# Altium PCB main.PcbDoc (continued)
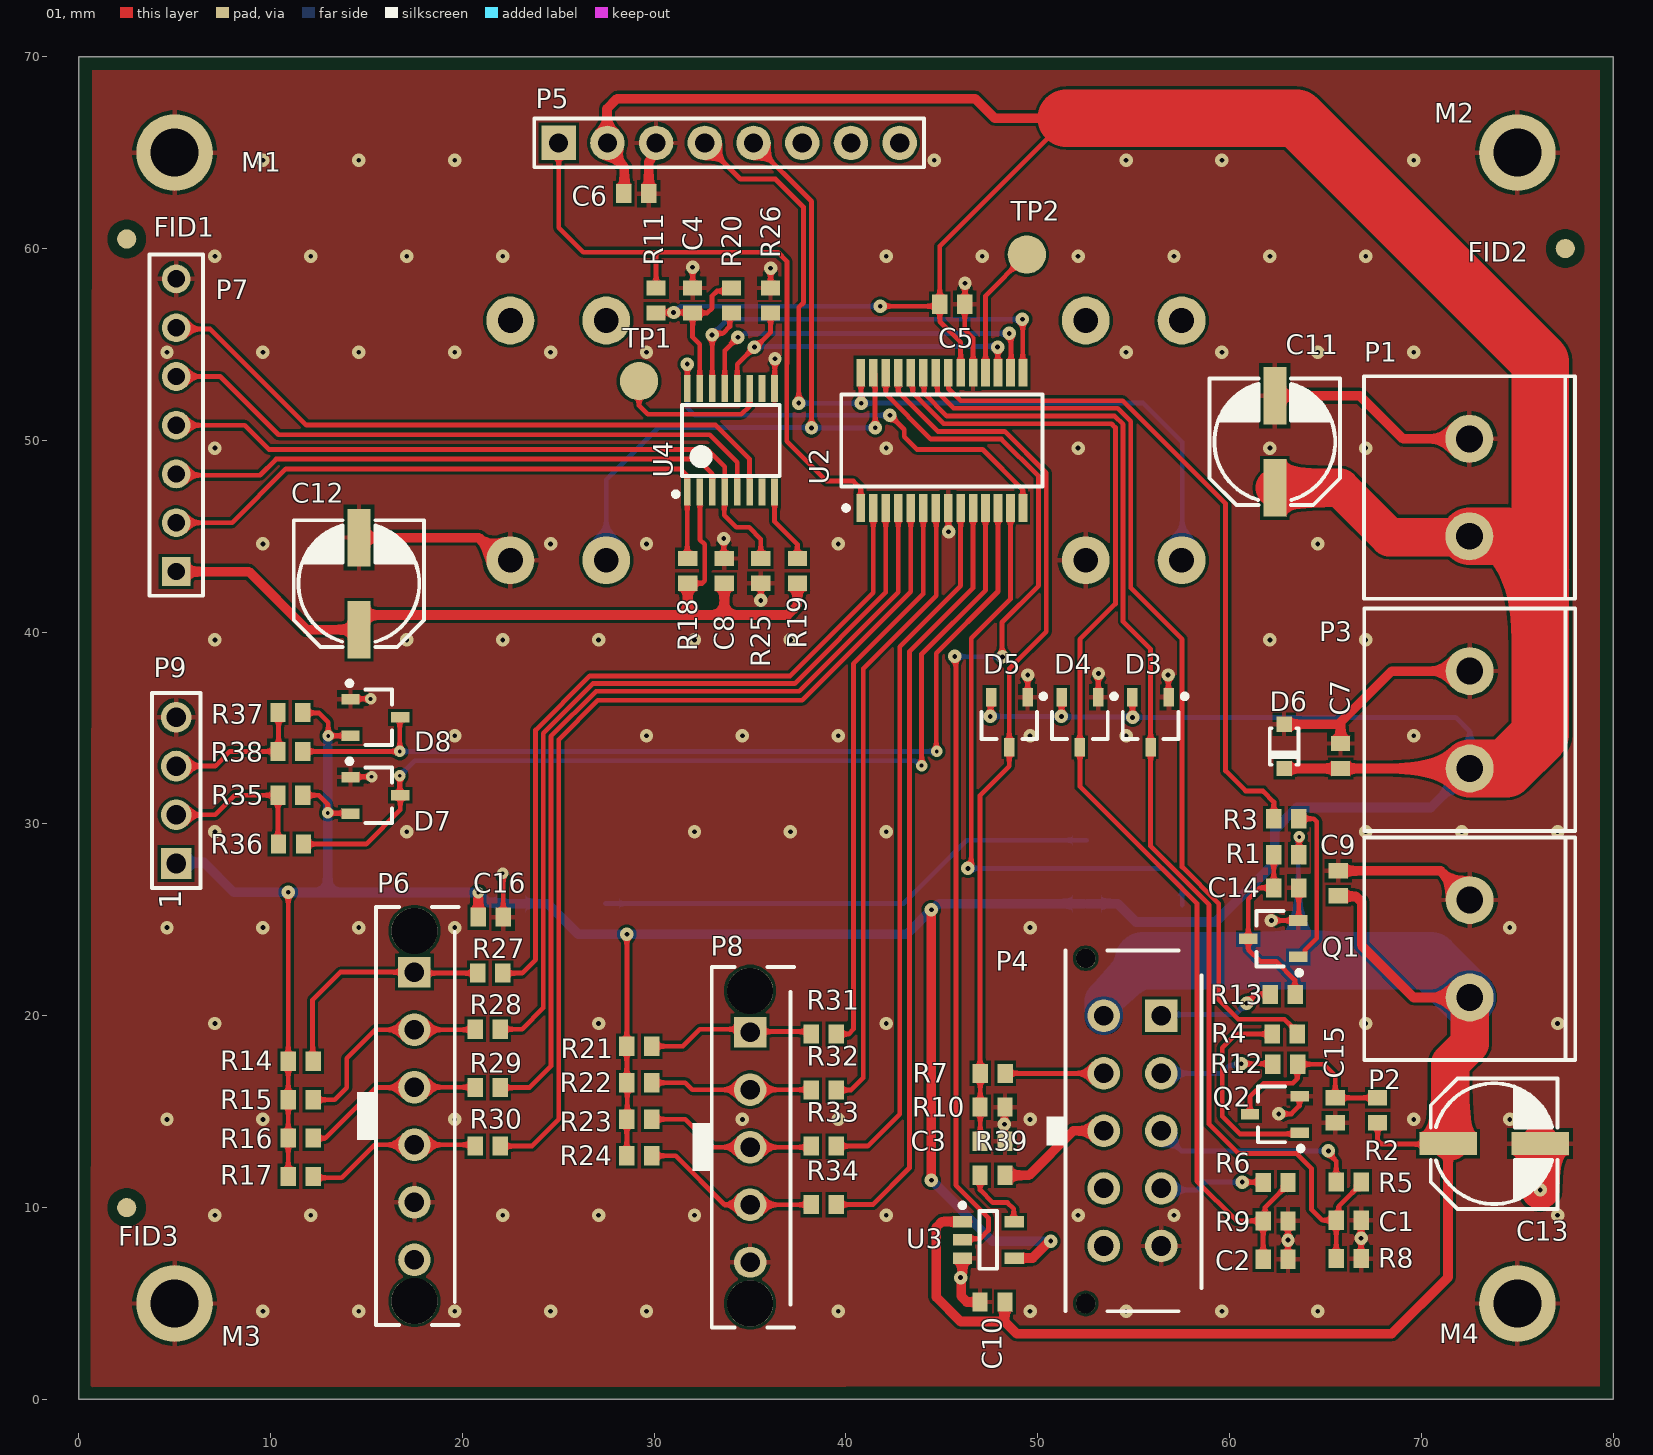
[diagram p0: 01 view]
## Footprints (in the part's own frame and the unit in brackets; to place one, negate y for a bottom-side part, rotate by r counter-clockwise, add the part's x,y. Pads: shape width x height; smd on the part's side, far side on the other; paste and mask are expansions set on the pad)
C0603 [mm] "Chip Capacitor; Body 1.6 x 0.8 mm (LxW typ)"
  rect 1x0.8 smd: 1(0,0.65) 2(0,-0.65)
  body extent -0.4,-0.8 0.4,0.8, height 0.8
"ELCO D-PACK" [mm] "SMD ELCO 6.3 x 5.8"
  rect 1.2x3 smd: 1(0,2.4) 2(0,-2.4)
  silkscreen extent -3.4,-3.3 3.4,3.3, body extent -3.3,-3.5 3.3,3.5, height 5.4
FIDUCIAL1MM [mm] "Fiducial Mark 1mm Diameter"
  round 1 smd paste-1 mask+0.3: ""(0,0)
HDR1X7-P254 [mm] "HEADER 1X7, Pitch 2,54mm"
  rect 1.5x1.5 hole 0.9: 1(-7.62,0)
  round 1.5 hole 0.9: 2(-5.08,0) 3(-2.54,0) 4(0,0) 5(2.54,0) 6(5.08,0) 7(7.63,0)
  silkscreen extent -8.89,-1.4 8.9,1.4, body extent -8.89,-1.27 8.89,1.27, height 8.38
"MOLEX 43045-1012" [mm]
  rect 1.7x1.7 hole 1.02: 1(6,-1.5)
  round 1.7 hole 1.02: 2(3,-1.5) 3(0,-1.5) 4(-3,-1.5) 5(-6,-1.5) 6(6,1.5) 7(3,1.5) 8(0,1.5) 9(-3,1.5) 10(-6,1.5)
  round 1.02 hole 1.02 unplated: ""(-9,2.44) ""(9,2.44)
  silkscreen extent -9.4,-3.6 9.4,4.5, body extent -9.57,-3.94 9.57,4.83, height 9.9
"MOLEX 43650-0518" [mm]
  rect 1.6x1.7 hole 1.02: 1(6,0)
  round 1.7 hole 1.02: 2(3,0) 3(0,0) 4(-3,0)
  oval 1.6x1.7 hole 1.02: 5(-6,0)
  round 2.4 hole 2.4 unplated: ""(-8.15,0) ""(8.15,0)
  silkscreen extent -9.4,-2.3 9.4,3, body extent -9.32,-2.46 9.32,3.11, height 9.9
"MOLEX 43650-0618" [mm]
  rect 1.6x1.7 hole 1.02: 1(7.5,0)
  round 1.7 hole 1.02: 2(4.5,0) 3(1.5,0) 4(-1.5,0) 5(-4.5,0) 6(-7.5,0)
  round 2.4 hole 2.4 unplated: ""(-9.65,0) ""(9.65,0)
  silkscreen extent -10.9,-2.3 10.9,3, body extent -10.82,-2.46 10.82,3.11, height 9.9
PTH-M2.5-D4.0 [mm] "Plated Through-Hole, M2.5, Pad 4mm"
  round 4 hole 2.5: 1(0,0)
R0603 [mm] "Chip Resistor; Body 1.6 x 0.8 mm (LxW typ)"
  rect 1x0.8 smd: 1(0,0.65) 2(0,-0.65)
  body extent -0.42,-0.78 0.43,0.77, height 0.45
SOD-323 [mm] "SOD-323/SC-76; 2 Leads; Body 1.7 x 1.3 mm, (LxW)"
  rect 0.8x0.8 smd: 1(0,-1.15) 2(0,1.15)
  silkscreen extent -0.75,-0.95 0.75,0.95, body extent -0.68,-1.3 0.67,1.3, height 1.1
SOT23-3 [mm] "SOT23, 3-Leads, Body 2,90x2,80mm, Pitch 0,95mm, IPC Medium Density"
  rect 0.95x0.55 smd: 1(-1.3,0.95) 2(-1.3,-0.95) 3(1.3,0)
  silkscreen extent -1.47,-1.45 0.87,1.9, body extent -1.4,-1.45 1.4,1.45, height 1.1
SOT23-5 [mm] "SOT23, 5-Leads, Body 2,90x2,80mm, Pitch 0,95mm, IPC Medium Density"
  rect 1x0.6 smd: 1(-1.35,0.95) 2(-1.35,0) 3(-1.35,-0.95) 4(1.35,-0.95) 5(1.35,0.95)
  silkscreen extent -1.47,-1.5 0.45,1.92, body extent -1.5,-1.5 1.5,1.5, height 1.45
TERMBLOCK508P-SCREW-2 [mm] "Terminal Block, Screw Connections, 2 Way, 5.08mm Pitch"
  round 2.5 hole 1.4: 1(-2.54,0) 2(2.54,0)
  silkscreen extent -5.8,-5.5 5.8,5.5, body extent -5.67,-5.9 5.67,5.72, height 18
TESTPAD_R2 [mm] "Testpad, Round, 2mm"
  round 2 smd paste-1: 1(0,0)
  body extent -0.99,-1 1,1, height 0.01
TSOP065P05.00X06.40X01.20-16 [mm] "TSOP, 16-Leads, Body 5,00x4,40mm, Pitch 0,65mm, IPC High Density"
  rect 1.4x0.35 smd: 1(-2.7,2.275) 2(-2.7,1.625) 3(-2.7,0.975) 4(-2.7,0.325) 5(-2.7,-0.325) 6(-2.7,-0.975) 7(-2.7,-1.625) 8(-2.7,-2.275) 9(2.7,-2.275) 10(2.7,-1.625) 11(2.7,-0.975) 12(2.7,-0.325) 13(2.7,0.325) 14(2.7,0.975) 15(2.7,1.625) 16(2.7,2.275)
  silkscreen extent -2.92,-2.55 1.85,3, body extent -3.2,-2.5 3.2,2.5, height 1.2
TSOP065P07.80X10.20X02.00-28 [mm] "SOP, 28-Leads, Body 10,20x5,30mm, Pitch 0,65mm, IPC High Density"
  rect 1.45x0.45 smd: 1(-3.525,4.225) 2(-3.525,3.575) 3(-3.525,2.925) 4(-3.525,2.275) 5(-3.525,1.625) 6(-3.525,0.975) 7(-3.525,0.325) 8(-3.525,-0.325) 9(-3.525,-0.975) 10(-3.525,-1.625) 11(-3.525,-2.275) 12(-3.525,-2.925) 13(-3.525,-3.575) 14(-3.525,-4.225) 15(3.525,-4.225) 16(3.525,-3.575) 17(3.525,-2.925) 18(3.525,-2.275) 19(3.525,-1.625) 20(3.525,-0.975) 21(3.525,-0.325) 22(3.525,0.325) 23(3.525,0.975) 24(3.525,1.625) 25(3.525,2.275) 26(3.525,2.925) 27(3.525,3.575) 28(3.525,4.225)
  silkscreen extent -3.65,-5.25 2.4,5.25, body extent -3.9,-5.25 3.9,5.25, height 2
TSW-104-06-G-S [mm] "Samtec TSW Header"
  rect 1.6x1.6 hole 1.02: 1(-3.81,0)
  round 1.6 hole 1.02: 2(-1.27,0) 3(1.27,0) 4(3.81,0)
  silkscreen extent -5.08,-1.27 5.08,1.27, body extent -5.21,-1.27 5.08,1.27, height 5.21
TSW-108-07-F-S [mm] "Samtec TSW-108-07-F-S"
  rect 1.8x1.8 hole 1: 1(-8.89,0)
  round 1.8 hole 1: 2(-6.35,0) 3(-3.81,0) 4(-1.27,0) 5(1.27,0) 6(3.81,0) 7(6.35,0) 8(8.89,0)
  silkscreen extent -10.16,-1.27 10.16,1.27, body extent -10.29,-1.27 10.16,1.27, height 8.38
WE-TATV [mm] "WE TATV Tactile Switch"
  round 2.5 hole 1.3: 1(-6.25,2.5) 2(6.25,2.5) 3(-6.25,-2.5) 4(6.25,-2.5)
  silkscreen extent -6,-6 6,6, body extent -6.99,-6 6.99,6, height 7.3
WS2812B-B [mm]
  rect 1.5x0.9 smd: 1(-2.45,1.65) 2(-2.45,-1.65) 3(2.45,-1.65) 4(2.45,1.65)
  silkscreen extent -2.5,-2.75 3.25,2.5, body extent -2.7,-2.5 2.7,2.5, height 1.62

## Part data
C1 C2 C3 C4 C5 C6 C7 C8 C9 C10 C14 C15 C16: library part 45000079, "CAP, CER, 0603, 100nF, 50V, X7R,±10%", Manufacturer 1=KEMET, Manufacturer 1 P/N=C0603X104K5RACTU, Manufacturer 2="Wurth Elektronik", Manufacturer 2 P/N=885012206095, Manufacturer 3=Yageo, Manufacturer 3 P/N=CC0603KRX7R9BB104, Manufacturer P/N Count=16, Component Type="Capacitor, Ceramic", id=45000079, Umbrella P/N=C0603/100nF/50V/X7R, Unit Type=pcs
C11 C12 C13: library part 45000014, "CAP, ELC, 6.3x5.8, 100uF, 35V, 20%", Manufacturer 1=Panasonic, Manufacturer 1 P/N=EEE-FT1V101AP, Manufacturer 2 P/N=EEEFT1V101AP, Manufacturer P/N Count=2, Component Type="Capacitor, Electrolytic", id=45000014, Manufacturer 2=Panasonic, Unit Type=pcs
D1 D2: library part 45006194, "LED,Adressable,RGB", Manufacturer 1=Worldsemi, Manufacturer P/N Count=1, Component Type="Diode, LED", id=45006194, Manufacturer 1 P/N=WS2812B-B, Unit Quantity=1, Unit Type=pcs
D3 D4 D5 D7 D8: library part 45000071, "Schottky Barrier Diode, Dual, Series", Manufacturer 1="NXP Semiconductors", Manufacturer 1 P/N=BAT54S, Manufacturer P/N Count=1, Component Type="Diode, Schottky", id=45000071, Unit Type=pcs
D6: library part 45002477, "TVS Diode, Unidirectional, 5V, 300mW", Manufacturer 1="ON Semiconductor", Manufacturer 1 P/N=SD05T1G, Manufacturer P/N Count=1, Component Type="Diode, TVS", id=45002477
FID1 FID2 FID3: library part 45000048, "Fiducial Mark,Round,1mm", Manufacturer 1=mechanical, Manufacturer P/N Count=1, Component Type="Mechanical, Fiducials / Net-Ties / Markers", id=45000048, Manufacturer 1 P/N=mechanical, Unit Type=pcs
M1 M2 M3 M4: library part 45000530, "Plated Through-Hole, M2.5", Manufacturer 1=mechanical, Manufacturer P/N Count=1, Component Type="Mechanical, Single SMD & THT Pads / Testpoints", id=45000530, Manufacturer 1 P/N=mechanical, Unit Type=pcs
P1 P2 P3: library part 45001155, "Terminal Block, 5.08mm Pitch, Screw Contacts", Manufacturer 1="PHOENIX CONTACT", Manufacturer 1 P/N=1715721, Manufacturer 2=Multicomp, Manufacturer 2 P/N=MC24366, Manufacturer P/N Count=2, Component Type="Connector, Terminal Block", id=45001155, Unit Type=pcs
P4: library part 45007936, "Socket, Vertical, 2x5p,3mm", Manufacturer 1=MOLEX, Manufacturer 1 P/N=43045-1012, Manufacturer 2=Molex, Manufacturer 2 P/N=0430451012, Manufacturer P/N Count=2, Component Type="Connector, Header", id=45007936, Unit Quantity=1, Unit Type=pcs
P5: library part 45000411, "Samtec TSW Header,2.54mm Pitch,Single Row,Vertical", Manufacturer 1=Samtec, Manufacturer 1 P/N=TSW-108-07-F-S, Manufacturer P/N Count=1, Component Type="Connector, Header", id=45000411
P6: library part 45007935, "Socket, Vertical, 6p, 3mm", Manufacturer 1=Molex, Manufacturer 1 P/N=43650-0618, Manufacturer 2 P/N=0436500618, Manufacturer P/N Count=2, Component Type="Connector, Header", id=45007935, Manufacturer 2=Molex, Unit Quantity=1, Unit Type=pcs
P7: library part 45000355, "Samtec TSW Header,2.54mm Pitch,Single Row,Vertical", Manufacturer 1=Samtec, Manufacturer 1 P/N=TSW-107-07-F-S, Manufacturer P/N Count=1, Component Type="Connector, Header", id=45000355, Unit Type=pcs
P8: library part 45007934, "Socket, Vertical, 5p, 3mm", Manufacturer 1=Molex, Manufacturer 1 P/N=43650-0518, Manufacturer 2 P/N=0436500518, Manufacturer P/N Count=2, Component Type="Connector, Header", id=45007934, Manufacturer 2=Molex, Unit Quantity=1, Unit Type=pcs
P9: library part 45003711, "Samtec TSW Header,Single Row,Vertical,5.21mm Height,Gold Flash", Manufacturer 1=Samtec, Manufacturer 1 P/N=TSW-104-06-G-S, Manufacturer P/N Count=1, Component Type="Connector, Header", id=45003711
Q1 Q2: library part 45003086, "MOSFET, N Channel, 310 mA, 60 V, 0.86 ohm", Manufacturer 1="ON Semiconductor", Manufacturer 1 P/N=2N7002ET1G, Manufacturer P/N Count=1, Component Type="MOSFET, N-Channel", id=45003086, Unit Type=pcs
R1 R2 R11 R14 R15 R16 R17 R18 R19 R20 R21 R22 R23 R24 R25 R26: library part 45000492, "RES, 0603, 47K, 1%,100mW", Manufacturer 1="MULTICOMP PRO", Manufacturer 1 P/N=MCWR06X4702FTL, Manufacturer 2=VISHAY, Manufacturer 2 P/N=CRCW060347K0FKEA., Manufacturer 3 P/N=MC0603SAF4702T5E, Manufacturer P/N Count=4, Component Type="Resistor, Thick Film", id=45000492, Manufacturer 3="MULTICOMP PRO", Umbrella P/N=R0603/47K/0.1W/1%, Unit Type=pcs
R3 R4 R5 R6 R7 R27 R28 R29 R30 R31 R32 R33 R34: library part 45000125, "RES, 0603, 10K,63mW,1%", Manufacturer 1="RS PRO", Manufacturer 1 P/N=804-8921, Manufacturer 2=WALSIN, Manufacturer 2 P/N=WR06X1002FTL, Manufacturer 3=BOURNS, Manufacturer 3 P/N=CR0603-FX-1002ELF, Manufacturer P/N Count=4, Component Type="Resistor, Thick Film", id=45000125, Umbrella P/N=R0603/10K/63mW/1%, Unit Type=pcs
R8 R9 R10: library part 45000333, "RES, 0603, 3K9, 0.063W, 1%", Manufacturer P/N Count=0, Component Type="Resistor, Thick Film", id=45000333, Umbrella P/N=R0603/3K9/0.063W/1%
R12 R13 R36 R38 R39: library part 45000124, "RES, 0603, 100R, 0.063W, 1%", Manufacturer 1=WALSIN, Manufacturer 1 P/N=WR06X1000FTL, Manufacturer 2="MULTICOMP PRO", Manufacturer 2 P/N=MCWR06X1000FTL, Manufacturer 3=PANASONIC, Manufacturer 3 P/N=ERJ3EKF1000V, Manufacturer P/N Count=9, Component Type="Resistor, Thick Film", id=45000124, Umbrella P/N=R0603/100R/0.063W/1%, Unit Type=pcs
R35 R37: library part 45000145, "RES, 0603, 4K7, 0.063W, 1%", Manufacturer 1=VISHAY, Manufacturer 1 P/N=CRCW06034K70FKEA., Manufacturer 2=PANASONIC, Manufacturer 2 P/N=ERJ3EKF4701V, Manufacturer 3="MULTICOMP PRO", Manufacturer 3 P/N=MCMR06X4701FTL, Manufacturer P/N Count=6, Component Type="Resistor, Thick Film", id=45000145, Umbrella P/N=R0603/4K7/0.063W/1%, Unit Type=pcs
S1 S2: library part 45001114, "WE TATV Series Tactile Switch, TH, 12x12mm, Square Actuator, Black", Manufacturer 1="WURTH ELEKTRONIK", Manufacturer 1 P/N=430476073716, Manufacturer 2="Würth Elektronik", Manufacturer 2 P/N="430 476 073 716", Manufacturer P/N Count=2, Component Type="Switches & Buttons, Button", id=45001114, Unit Type=pcs
TP1 TP2: library part 45001579, "Test Point for PCB, Round,2mm", Manufacturer 1=mechanical, Manufacturer P/N Count=1, Component Type="Mechanical, Single SMD & THT Pads / Testpoints", id=45001579, Manufacturer 1 P/N=mechanical, Unit Type=pcs
U2: library part 45007932, "MCU, 8BIT, 28KB FLASH, 28SSOP", Manufacturer 1=Microchip, Manufacturer 1 P/N=PIC16F18056-I/SS, Manufacturer P/N Count=1, Component Type="IC, Microcontrollers", id=45007932, Unit Quantity=1, Unit Type=pcs
U3: library part 45007933, "Low-Side,Gate Driver,Non-Inverting,SOT-23-5", Manufacturer 1=onsemi, Manufacturer 1 P/N=FAN3111ESX, Manufacturer P/N Count=1, Component Type="IC, Controllers / Drivers / Transceivers", id=45007933, Unit Quantity=1, Unit Type=pcs
U4: library part 45002309, "6-Bit Bidirectional Level-Shifting and Voltage Translator With Auto-Direction Sensing", Manufacturer 1="Texas Instruments", Manufacturer 1 P/N=TXB0106PWR, Manufacturer P/N Count=1, Component Type="IC, Controllers / Drivers / Transceivers", id=45002309, Unit Quantity=1

## Via types
v1: diameter 0.7, hole 0.25, 01 to 02, tented both sides, 145 vias
v2: diameter 0.6, hole 0.2, 01 to 02, tented both sides, 11 vias

## Nets (pads, with @x,y where several pads share a name; then routed paths per layer and width w, separated by ;. In a path a pad name is that pad's centre, name@x,y a point inside that pad or via, vN(x,y) a via of type N, cw(c..) or ccw(c..) an arc to the next point about the centre after c; other vN are vias at no path point)
GND: C1.2 C2.2 C3.2 C4.2 C5.2 C6.2 C7.2 C8.2 C9.2 C10.2 C11.2 C12.2 C13.2 C14.2 C15.2 C16.2 D1.3 D2.3 D3.1 D4.1 D5.1 D6.1 D7.1 D8.1 M1.1 M2.1 M3.1 M4.1 P1.2 P2.2 P3.2 P4.5 P5.3 P6.5 P7.7 P8.5 P9.4 Q1.2 Q2.2 R8.2 R9.2 R10.2 R25.2 R26.2 S1.2 S2.2 U2.8 U2.19 U3.3 U4.9 | length 77.4
  01 w0.25: D7.1 14.179,32.461 v2(15.265,32.461) ; D8.1 14.179,36.525 v2(15.215,36.525) ; v2(22.098,27.432) 22.128,27.402 C16.2 ; C4.2 v1(32.004,59.03) ; v1(33.63,44.882) 33.63,43.87 C8.2 ; v1(35.56,41.656) R25.2 ; R26.2 v1(36.068,58.979) ; U4.9 36.286,52.711 36.286,54.244 v1(36.297,54.254) ; U2.8 45.337,46.463 45.337,45.25 v1(45.35,45.237) ; v1(46.203,58.191) 46.203,57.11 C5.2 46.192,55.763 46.625,55.331 U2.19 ; C3.2@48.29,13.492 48.26,13.522 v1(48.26,14.351) 48.26,15.21 R10.2 ; D5.1 49.472,36.614 49.472,37.762 v1(49.479,37.77) ; D4.1 53.155,36.614 53.155,37.838 v1(53.162,37.846) ; v1(56.794,37.77) 56.812,37.752 56.812,36.624 D3.1 ; v1(62.179,24.968) Q1.2 ; v1(62.56,14.884) 63.221,14.884 63.642,15.305 63.642,15.794 Q2.2 ; C2.2@63.046,7.42 63.043,7.423 v1(63.043,8.306) 63.043,9.307 R9.2 ; Q1.2@63.602,24.917 C14.2 ; R8.2 66.853,7.344 v1(66.853,8.407) 66.853,9.338 C1.2
  01 w0.5: C12.2 20.854,44.932 22.098,43.688 S2.2@22.479,43.688 ; C6.2 29.718,64.516 29.831,64.629 29.831,65.264 P5.3@29.972,65.405 ; v1@45.949,6.35 v1(45.974,6.35) 46.012,6.286 46.012,5.373 46.305,5.08 C10.2 ; v1@46.068,6.515 U3.3 ; C11.2@62.357,52.197 62.484,52.324 66.802,52.324 69.046,50.08 P1.2 ; D6.1 65.786,35.193 ; C9.2 70.993,27.559 72.39,26.162 P2.2@72.39,25.908 ; C7.2 65.786,35.306 68.453,37.973 72.39,37.973 P3.2@72.517,37.846
  01 w2: v1@76.187,10.922 C13.2
  other v1: 9.6,4.6 14.6,4.6 19.6,4.6 24.6,4.6 29.6,4.6 39.6,4.6 49.6,4.6 54.6,4.6 59.6,4.6 64.6,4.6 7.1,9.6 12.1,9.6 22.1,9.6 27.1,9.6 32.1,9.6 42.1,9.6 52.1,9.6 57.1,9.6 77.1,9.6 76.2,10.922 76.2,11.811 4.6,14.6 9.6,14.6 19.6,14.6 34.6,14.6 39.6,14.6 49.6,14.6 69.6,14.6 74.6,14.6 7.1,19.6 27.1,19.6 42.1,19.6 67.1,19.6 77.1,19.6 4.6,24.6 9.6,24.6 14.6,24.6 19.6,24.6 49.6,24.6 74.6,24.6 7.1,29.6 17.1,29.6 32.1,29.6 37.1,29.6 42.1,29.6 67.1,29.6 72.1,29.6 77.1,29.6 19.6,34.6 29.6,34.6 34.6,34.6 39.6,34.6 49.6,34.6 54.6,34.6 69.6,34.6 7.1,39.6 17.1,39.6 22.1,39.6 27.1,39.6 32.1,39.6 37.1,39.6 62.1,39.6 67.1,39.6 9.6,44.6 24.6,44.6 29.6,44.6 39.6,44.6 64.6,44.6 7.1,49.6 42.1,49.6 52.1,49.6 62.1,49.6 67.1,49.6 4.6,54.6 9.6,54.6 14.6,54.6 19.6,54.6 24.6,54.6 29.6,54.6 54.6,54.6 59.6,54.6 64.6,54.6 69.6,54.6 7.1,59.6 12.1,59.6 17.1,59.6 22.1,59.6 42.1,59.6 47.1,59.6 52.1,59.6 57.1,59.6 62.1,59.6 67.1,59.6 9.6,64.6 14.6,64.6 19.6,64.6 44.6,64.6 54.6,64.6 59.6,64.6 69.6,64.6
int_in: R26.1 U2.17 U4.12 | length 18.4
  01 w0.25: U4.12 34.325,53.964 35.179,54.818 35.179,54.864 35.306,54.864 36.068,55.626 R26.1 ; v1(47.904,54.864) 47.915,54.854 U2.17@47.915,53.922
  02 w0.25: v1(35.225,54.864) 35.264,54.902 47.866,54.902 v1(47.904,54.864)
int_out: U2.16 U4.13 | length 19.2
  01 w0.25: U4.13 33.675,54.681 v1(34.366,55.372) ; v1(48.514,55.575) 48.6,55.489 48.6,54.946 48.608,54.938 U2.16@48.608,53.627
  02 w0.25: v1(34.366,55.372) 34.488,55.372 34.691,55.575 v1(48.514,55.575)
mains: P4.4 R6.2 | length 5.5
  01 w0.25: v1(60.655,11.328) 61.728,11.328 R6.2
  02 w0.25: P4.4@56.515,11.049 56.642,10.922 58.293,10.922 58.699,11.328 v1(60.655,11.328)
MCLR: P5.1 R11.2 U2.1 | length 34.2
  01 w0.25: P5.1 25.019,61.087 26.299,59.807 30.099,59.807 30.216,59.807 ; R11.2 30.099,59.69 30.216,59.807 ; U2.1@40.767,46.482 40.767,47.498 40.386,47.879 38.989,47.879 36.916,49.952 36.916,53.99 36.922,53.996 36.922,59.339 36.454,59.807 30.216,59.807
NetC1_1: C1.1 D3.3 R5.1 R8.1 U2.23 | length 65
  01 w0.25: U2.23@44.069,53.594 44.069,52.451 45.25,51.27 54.007,51.27 54.445,50.832 54.445,40.551 55.88,39.116 D3.3 55.88,28.841 58.928,25.793 58.928,14.351 60.452,12.827 63.481,12.827 64.262,12.046 64.262,9.906 64.827,9.341 C1.1 R8.1 ; C1.1@65.629,9.368 65.685,9.424 65.685,10.07 66.856,11.241 R5.1
NetC2_1: C2.1 D4.3 R6.1 R9.1 U2.24 | length 63.8
  01 w0.25: U2.24 43.475,53.425 43.475,52.479 45.084,50.87 53.841,50.87 54.045,50.666 54.045,41.472 52.197,39.624 D4.3 52.197,31.958 52.27,31.885 58.293,25.862 58.293,11.381 60.364,9.31 R9.1 C2.1 ; R9.1@61.849,9.31 61.849,10.013 63.046,11.21 R6.1
NetC3_1: C3.1 D5.3 R7.1 R10.1 U2.25 | length 46.7
  01 w0.25: U2.25 42.725,52.525 44.78,50.47 48.267,50.47 50.438,48.299 50.438,40.024 48.514,38.1 D5.3@48.514,34.036 ; C3.1 47,13.472 47,15.24 R7.1 46.99,17.01 46.99,31.496 48.514,33.02 D5.3
NetC14_1: C14.1 Q1.3 R1.2 R13.2 | length 9.7
  01 w0.25: R1.2@62.302,28.367 C14.1 61.57,26.67 60.976,26.077 Q1.3 60.976,23.453 61.595,22.835 62.433,22.835 63.406,21.861 63.406,21.125 R13.2
NetC15_1: C15.1 Q2.3 R2.2 R12.2 | length 10
  01 w0.25: Q2.3 61.057,15.769 61.773,16.485 63.297,16.485 63.525,16.713 R12.2@63.525,17.424 ; R12.2 64.897,17.475 65.507,16.866 C15.1 R2.2@67.691,15.723
NetD1_2: D1.2 D2.4 | length 26.5
  02 w0.25: D2.4 42.995,25.85 46.295,29.15 D1.2
NetP6_1: P6.1 R14.2 R27.2 | length 12.3
  01 w0.25: R14.2@12.192,17.78 12.192,20.828 13.641,22.277 P6.1 ; P6.1@17.5,22.225 R27.2
NetP6_2: P6.2 R15.2 R28.2 | length 10.9
  01 w0.25: R15.2@12.192,15.621 13.335,15.621 13.97,16.256 13.97,17.78 15.467,19.277 P6.2 20.644,19.277 R28.2
NetP6_3: P6.3 R16.2 R29.2 | length 9.5
  01 w0.25: R16.2 12.236,13.612 12.85,13.612 15.494,16.256 17.479,16.256 P6.3 ; P6.3@17.547,16.277 20.65,16.277 R29.2
NetP6_4: P6.4 R17.2 R30.2 | length 9.3
  01 w0.25: R17.2@12.192,11.684 12.319,11.557 13.716,11.557 15.436,13.277 P6.4 20.602,13.277 R30.2
NetP7_2: P7.2 R18.2 U4.1 | length 32.2
  01 w0.25: P7.2@5.08,45.669 5.121,45.71 7.991,45.71 10.795,48.514 31.369,48.514 31.701,48.182 U4.1@31.701,47.349 ; R18.2 31.725,43.87 31.725,47.219 U4.1@31.75,47.244
NetP7_3: P7.3 U4.3 | length 29.6
  01 w0.25: P7.3@5.08,48.184 9.449,48.184 10.287,49.022 32.258,49.022 33.02,48.26 U4.3@33.02,47.244
NetP7_4: P7.4 R25.1 U4.4 | length 35.3
  01 w0.25: P7.4@5.131,50.775 5.146,50.79 8.646,50.79 9.906,49.53 32.766,49.53 33.675,48.621 U4.4 ; U4.4@33.655,47.244 33.655,46.101 34.29,45.466 34.95,45.466 35.56,44.856 R25.1
NetP7_5: P7.5 U4.5 | length 32.7
  01 w0.25: P7.5@5.055,53.289 5.095,53.33 7.376,53.33 10.414,50.292 32.893,50.292 34.325,48.86 U4.5
NetP7_6: P7.6 U4.6 | length 34.4
  01 w0.25: P7.6@5.08,55.855 5.131,55.804 6.858,55.804 11.862,50.8 33.2,50.8 34.975,49.025 U4.6
NetP8_1: P8.1 R21.2 R31.2 | length 8.6
  01 w0.25: R21.2 31.496,18.415 32.385,19.304 P8.1@34.925,19.304 ; P8.1@35.052,19.177 38.07,19.177 R31.2
NetP8_2: P8.2 R22.2 R32.2 | length 8.6
  01 w0.25: R22.2@29.845,16.51 R22.2 31.623,16.51 31.983,16.15 P8.2 38.079,16.15 R32.2@38.227,16.002
NetP8_3: P8.3 R23.2 R33.2 | length 8.9
  01 w0.25: R23.2@29.972,14.605 31.623,14.605 33.078,13.15 P8.3 38.139,13.15 R33.2
NetP8_4: P8.4 R24.2 R34.2 | length 9.3
  01 w0.25: R24.2 31.115,12.7 33.665,10.15 P8.4@34.935,10.15 ; P8.4 38.217,10.15 R34.2@38.227,10.16
NetP9_2: P9.2 R35.2 R36.2 | length 8.3
  01 w0.25: P9.2 7.112,30.48 8.128,31.496 R35.2 10.384,28.986 R36.2
NetP9_3: P9.3 R37.2 R38.2 | length 7.7
  01 w0.25: P9.3 7.112,33.02 7.874,33.782 R38.2 10.414,33.812 R37.2@10.414,35.814
NetQ1_1: Q1.1 R3.2 | length 8.5
  01 w0.25: Q1.1@63.55,23.094 Q1.1 63.776,23.068 63.926,23.218 63.926,23.418 64.541,24.033 64.541,30.124 64.389,30.277 R3.2@63.703,30.277
NetQ2_1: Q2.1 R4.2 | length 10.9
  01 w0.25: R4.2 60.325,19.05 59.614,18.339 59.614,14.757 60.528,13.843 Q2.1@63.627,13.843
NetR3_1: R3.1 U2.21 | length 35.7
  01 w0.25: U2.21 45.339,53.511 45.339,52.705 45.974,52.07 54.425,52.07 59.792,46.704 59.792,32.766 60.833,31.725 61.747,31.725 ; 61.747,31.699 62.306,31.14 R3.1
NetR4_1: R4.1 U2.22 | length 48.7
  01 w0.25: U2.22 44.775,53.425 44.775,52.507 45.612,51.67 54.172,51.67 54.845,50.997 54.845,42.306 57.521,39.63 57.521,27.765 59.436,25.85 59.436,20.828 60.439,19.825 62.855,19.825 63.53,19.15 R4.1
NetR19_2: R19.2 U4.8 | length 3.8
  01 w0.25: U4.8@36.275,47.197 36.275,45.767 37.465,44.577 R19.2
NetR39_2: R39.2 U3.5 | length 3.6
  01 w0.25: R39.2 46.99,10.922 47.65,10.262 48.412,10.262 48.743,9.931 U3.5@48.743,9.271
NetTP1_1: TP1.1 U4.11 | length 8.3
  01 w0.25: TP1.1 29.21,51.816 29.668,51.358 34.543,51.358 34.975,51.79 U4.11
NetTP2_1: TP2.1 U2.18 | length 7.1
  01 w0.25: U2.18@47.375,53.425 U2.18 47.275,57.537 49.352,59.614 TP2.1@49.403,59.614
NetU2_26: U2.26 U3.2 | length 55.6
  01 w0.25: U2.26 42.075,52.425 44.43,50.07 48.101,50.07 50.038,48.133 50.038,42.418 48.133,40.513 48.133,38.735 v1(48.158,38.71) ; v1(45.669,38.735) 45.73,38.674 45.73,11.166 47.422,9.474 47.422,8.814 46.99,8.382 U3.2@46.216,8.382
  02 w0.25: v1(45.669,38.735) 45.682,38.722 48.146,38.722 v1(48.158,38.71)
ONEWIRE1: D7.3 R36.1 U2.11 | length 50
  01 w0.25: R36.1 14.986,28.956 16.764,30.734 D7.3 ; D7.3@16.739,31.521 v2(16.739,32.512) ; v2(43.942,33.045) 43.942,38.862 47.275,42.195 U2.11
  02 w0.25: v2(16.739,32.512) 17.526,33.299 43.621,33.299 43.875,33.045 v2(43.942,33.045)
ONEWIRE2: D8.3 R38.1 U2.12 | length 48.9
  01 w0.25: R38.1 v2(16.739,33.782) D8.3@16.739,35.56 ; v2(44.729,33.782) 44.704,33.807 44.704,38.9 47.925,42.121 U2.12
  02 w0.25: v2(16.739,33.782) v2(44.729,33.782)
P3V3: C8.1 C12.1 P7.1 R18.1 R19.1 U4.2 | length 43.8
  01 w0.25: R18.1 32.493,42.545 32.639,42.691 32.639,44.577 32.385,44.831 U4.2@32.385,47.117
  01 w0.5: P7.1@5.035,43.155 8.865,43.155 11.887,40.132 C12.1 ; C12.1@14.605,40.894 31.75,40.894 ; R18.1 31.75,40.894 ; C8.1 33.655,40.894 ; R19.1 37.465,41.402 36.957,40.894 33.655,40.894 ; 31.75,40.894 33.655,40.894
P5V: C4.1 C5.1 C6.1 C7.1 C11.1 C16.1 D1.1 D2.1 D3.2 D4.2 D5.2 D6.2 D7.2 D8.2 P1.1 P3.1 P5.2 P9.1 R11.1 R14.1 R15.1 R16.1 R17.1 R20.1 R21.1 R22.1 R23.1 R24.1 R35.1 R37.1 U2.20 U3.4 U4.15 | length 317.6
  01 w0.25: R17.1 R16.1 R15.1 10.921,17.525 R14.1@10.922,17.526 ; R14.1@10.922,17.653 v1(10.922,26.441) ; R35.1 12.522,31.496 12.979,31.039 v2(12.979,30.582) 12.997,30.564 14.13,30.564 D7.2@14.148,30.582 ; R37.1@11.735,35.789 12.522,35.789 13.005,35.306 v2(13.005,34.595) 13.012,34.602 14.079,34.602 D8.2@14.122,34.646 ; R24.1 R23.1 28.6,14.63 28.6,16.485 R22.1 R21.1 ; v1(28.575,24.257) 28.575,18.548 R21.1@28.581,18.542 ; R11.1 30.124,56.667 v1(31.013,56.667) 31.979,56.667 C4.1 ; U4.15 32.375,55.001 32.004,55.372 C4.1 ; R20.1@34.036,57.912 33.909,57.785 33.274,57.785 33.02,57.531 33.02,56.896 32.766,56.642 C4.1 ; v1(41.783,56.998) v1@41.783,57.023 ; v1@41.808,57.048 41.859,56.998 44.791,56.998 C5.1 44.892,60.132 50.8,66.04 50.8,66.802 ; C5.1@44.894,56.998 44.894,56.198 45.975,55.117 U2.20@45.975,53.595 ; v1(47.523,35.611) 47.544,35.631 47.544,36.586 D5.2 ; v1(51.232,35.611) 51.239,35.618 51.239,36.441 D4.2@51.277,36.48 ; D3.2 54.935,36.601 54.935,35.565 v1(54.94,35.56)
  01 w0.5: C16.1 v2(20.828,26.416) ; C6.1@28.448,62.865 28.448,64.24 27.54,65.148 27.54,67.291 28.067,67.818 46.736,67.818 47.752,66.802 50.8,66.802 51.435,66.802 ; v1(44.45,11.43) v1(44.45,25.527) ; U3.4@48.903,7.366 49.73,7.366 50.619,8.255 v1(50.673,8.255) ; D6.2 C7.1 P3.1
  01 w2: C11.1 65.76,47.524 68.326,44.958 P1.1@72.517,44.958
  01 w3: 51.494,66.802 63.5,66.802 76.2,54.102 76.2,43.243 ; P3.1 74.422,32.893 76.2,34.671 76.2,43.243 ; P1.1@72.517,45 74.443,45 76.2,43.243
  02 w0.25: v2@12.979,30.531 v2(12.979,30.582) ; v2@12.979,34.62 v2(13.005,34.595) ; v1(31.013,56.667) 31.055,56.667 31.385,56.998 v1(41.783,56.998) ; v1(47.523,35.611) v1(51.232,35.611) 51.257,35.585 54.915,35.585 v1(54.94,35.56) 71.78,35.56 72.517,34.823 P3.1
  02 w0.5: P9.1@5.156,27.965 5.182,27.991 6.528,27.991 8.077,26.441 v1(10.922,26.441) 10.935,26.429 12.979,26.429 ; v2@12.979,30.531 12.979,26.429 ; v2(12.979,30.582) v2@12.979,34.62 ; v1(44.45,11.43) 47.625,8.255 v1(50.673,8.255) ; v1(44.45,25.527) 44.504,25.527 44.827,25.85 D1.1@52.393,25.85 ; v1@44.514,25.463 44.386,25.463 43.18,24.257 v1(28.575,24.257) 26.035,24.257 24.442,25.85 22.25,25.85 22.199,25.901 21.343,25.901 20.815,26.429 12.979,26.429 ; D1.1 54.16,25.85 55.118,24.892 59.258,24.892 62.357,27.991 62.357,29.718 63.5,30.861 70.485,30.861 P3.1@72.39,32.766
P12V: C9.1 C10.1 C13.1 P2.1 P4.6 R1.1 R2.1 U3.1 | length 93.5
  01 w0.25: R1.1@63.627,28.448 v2(63.627,29.327) ; R2.1 67.716,13.513 67.92,13.31 71.387,13.31 C13.1@71.45,13.31
  01 w0.5: U3.1@46.344,9.271 44.997,9.271 44.704,8.978 44.704,5.334 45.974,4.064 48.041,4.064 ; 48.266,4.058 C10.1@48.266,5.06 ; 48.266,4.058 48.895,3.429 49.102,3.429 68.453,3.429 71.387,6.363 C13.1@71.387,13.31 ; C9.1 65.693,26.225 66.585,26.225 66.878,25.932 66.878,23.673 69.596,20.955 P2.1@72.39,20.955 ; C13.1@71.406,13.354 C13.1@71.501,13.449 ; P2.1@72.39,20.828 P2.1@72.517,20.701
  01 w2: C13.1@71.501,13.449 71.501,17.526 72.517,18.542 P2.1@72.517,20.701
  02 w0.25: 63.576,22.86 63.576,29.276 v2(63.627,29.327)
  02 w2: P4.6 53.44,20.801 55.499,22.86
  02 w3: 55.499,22.86 63.576,22.86 70.485,22.86 P2.1@72.39,20.955
p12v_check: P4.3 R5.2 | length 10.9
  01 w0.25: v1(65.151,12.954) 65.151,12.832 65.556,12.427 R5.2
  02 w0.25: P4.3@56.515,13.97 56.515,13.925 57.486,12.954 v1(65.151,12.954)
p12v_off: P4.1 R13.1 | length 6.2
  01 w0.25: v1(60.884,20.65) 61.366,21.133 62.078,21.133 R13.1@62.103,21.107
  02 w0.25: P4.1@56.388,20.066 60.3,20.066 v1(60.884,20.65)
p12v_on: P4.2 R12.1 | length 6
  01 w0.25: v1(60.604,17.501) R12.1@62.281,17.501
  02 w0.25: P4.2 59.568,17 59.983,17.414 60.518,17.414 v1(60.604,17.501)
p_starter_bat: P4.7 R7.2 | length 5.2
  01 w0.25: R7.2@48.26,17.018 48.278,17 R7.2 P4.7
PGC: P5.5 S2.4 U2.27 | length 38.5
  01 w0.25: P5.5@35.16,65.5 38.202,62.458 v1(38.202,50.648) ; U2.27@41.402,53.594 41.519,53.477 41.519,50.666 v1(41.529,50.656)
  02 w0.25: S2.4 27.5,47.947 30.226,50.673 38.176,50.673 v1(38.202,50.648) 38.206,50.652 41.525,50.652 v1(41.529,50.656)
PGD: P5.4 S1.4 U2.28 | length 45.6
  01 w0.25: P5.4@32.62,65.5 34.493,63.627 36.322,63.627 37.785,62.164 37.785,57.175 37.541,56.931 v1(37.541,51.943) ; U2.28@40.771,53.59 40.784,53.577 40.784,51.942 v1(40.792,51.933)
  02 w0.25: v1(37.541,51.943) 37.546,51.938 40.787,51.938 v1(40.792,51.933) ; v1@40.792,51.918 40.818,51.943 55.499,51.943 57.531,49.911 S1.4@57.531,43.688
PIXELS: D1.4 U2.13 | length 32.2
  01 w0.25: v1(46.355,27.686) 46.355,27.808 46.533,27.986 46.533,39.675 48.575,41.717 U2.13
  02 w0.25: v1(46.355,27.686) 56.515,27.686 57.531,26.67 D1.4@57.531,25.781
pump: P4.8 R39.1 | length 6
  01 w0.5: R39.1@48.311,11.659 48.336,11.684 49.53,11.684 51.846,14 53.31,14 P4.8@53.34,13.97
rxd2: U2.14 U4.16 | length 24
  01 w0.25: U4.16 v1(31.725,53.975) ; v1(42.291,51.308) 43.033,50.566 43.033,50.185 43.688,49.53 47.117,49.53 49.218,47.429 49.218,46.482 U2.14
  02 w0.25: v1(31.725,53.975) 31.725,51.709 32.126,51.308 v1(42.291,51.308)
txd2: R20.2 U2.15 U4.14 | length 23.8
  01 w0.25: U4.14 33.023,52.702 33.023,55.496 v1(33.02,55.499) 33.106,55.585 33.589,55.585 33.946,55.942 33.946,56.552 R20.2 ; v1(49.2,56.312) 49.212,56.299 49.212,53.658 U2.15@49.225,53.645
  02 w0.25: v1(33.02,55.499) 33.833,56.312 v1(49.2,56.312)
waste25: R30.1 U2.5 | length 49.3
  01 w0.25: R30.1 23.622,13.208 25.019,14.605 25.019,34.4 27.068,36.449 37.719,36.449 43.375,42.105 U2.5
waste50: R29.1 U2.4 | length 45.8
  01 w0.25: R29.1@22.098,16.256 23.495,16.256 24.619,17.38 24.619,34.565 26.973,36.919 37.554,36.919 42.723,42.088 U2.4@42.723,46.475
waste75: R28.1 U2.3 | length 42.3
  01 w0.25: R28.1 23.114,19.304 24.219,20.409 24.219,34.731 26.807,37.319 37.319,37.319 42.075,42.075 U2.3
waste100: R27.1 U2.2 | length 39.1
  01 w0.25: R27.1@21.971,22.225 R27.1 23.114,22.225 23.819,22.93 23.819,34.897 26.641,37.719 37.084,37.719 41.425,42.06 U2.2
water25: R34.1 U2.10 | length 40.4
  01 w0.25: R34.1 41.402,10.16 43.307,12.065 43.307,38.989 46.625,42.307 U2.10
water50: R33.1 U2.9 | length 36.9
  01 w0.25: R33.1 41.129,13.208 42.799,14.878 42.799,39.243 45.975,42.419 U2.9
water75: R32.1 U2.7 | length 32.8
  01 w0.25: R32.1 40.259,16.129 40.894,16.764 40.894,38.1 44.704,41.91 U2.7@44.704,46.355
water100: R31.1 U2.6 | length 29.7
  01 w0.25: R31.1 40.132,19.05 40.386,19.304 40.386,38.354 44.025,41.993 U2.6
pads on no net: D2.2 FID1. FID2. FID3. P4. P4.9 P4.10 P5.6 P5.7 P5.8 P6. P6.6 P8. S1.1 S1.3 S2.1 S2.3 U4.7 U4.10

## Polygon pours and split planes (outlines as drawn)
GND on 02 "GND_L02_P000" (solid, pour order 0): 0.693,69.307 0.635,0.635 79.306,0.693 79.306,69.307
GND on 01 "GND_L01_P001" (solid, pour order 1): 0.693,69.307 0.635,0.635 79.306,0.693 79.306,69.307

## Silkscreen, mask and mechanical layers (free items; w line width, h text height)
(M1) Board Outline:
  the board outline again, w1.2
(M17) Board Info Top:
  drawing of 36 lines, arcs and shapes, not listed
  text "T" at -12.5,22.5 h4
  text "30mm" at -12.5,3 h1.5 r90
  text "PCB:" at 9,-12.5 h1.5
  text ".Pcb_File_Name_No_Path" at 14,-12.5 h1.5
  text "PCA:" at 9,-14.5 h1.5
  text ".VariantName" at 14,-14.5 h1.5
  text "Date:" at 9,-16.5 h1.5
  text ".Print_Date" at 14,-16.5 h1.5
  text "Time:" at 9,-18.5 h1.5
  text "'.Print_Time'" at 14,-18.5 h1.5
  text "VCS:" at -10,-20.5 h1.5
  text ".VersionControl_RevNumber" at -5,-20.5 h1.5
(M18) Board Info Bottom:
  drawing of 36 lines, arcs and shapes, not listed
  text "B" at -10.5,22.5 h4
  text "30mm" at -12.5,6.5 h1.5 r90
  text ".Pcb_File_Name_No_Path" at 20,-12.5 h1.5
  text "PCB:" at 25,-12.5 h1.5
  text ".VariantName" at 20,-14.5 h1.5
  text "PCA:" at 25,-14.5 h1.5
  text ".Print_Date" at 20,-16.5 h1.5
  text "Date:" at 25,-16.5 h1.5
  text "'.Print_Time'" at 20,-18.5 h1.5
  text "Time:" at 25,-18.5 h1.5
  text ".VersionControl_RevNumber" at 20,-20.5 h1.5
  text "VCS:" at 25,-20.5 h1.5

## Text inside footprints (layer, text, board x,y; h text height)
P9: Top Overlay "1" at 5.74,25.552 h2 r90